# KiCad board Sound_Detection Bullet Shot.kicad_pcb (continued)
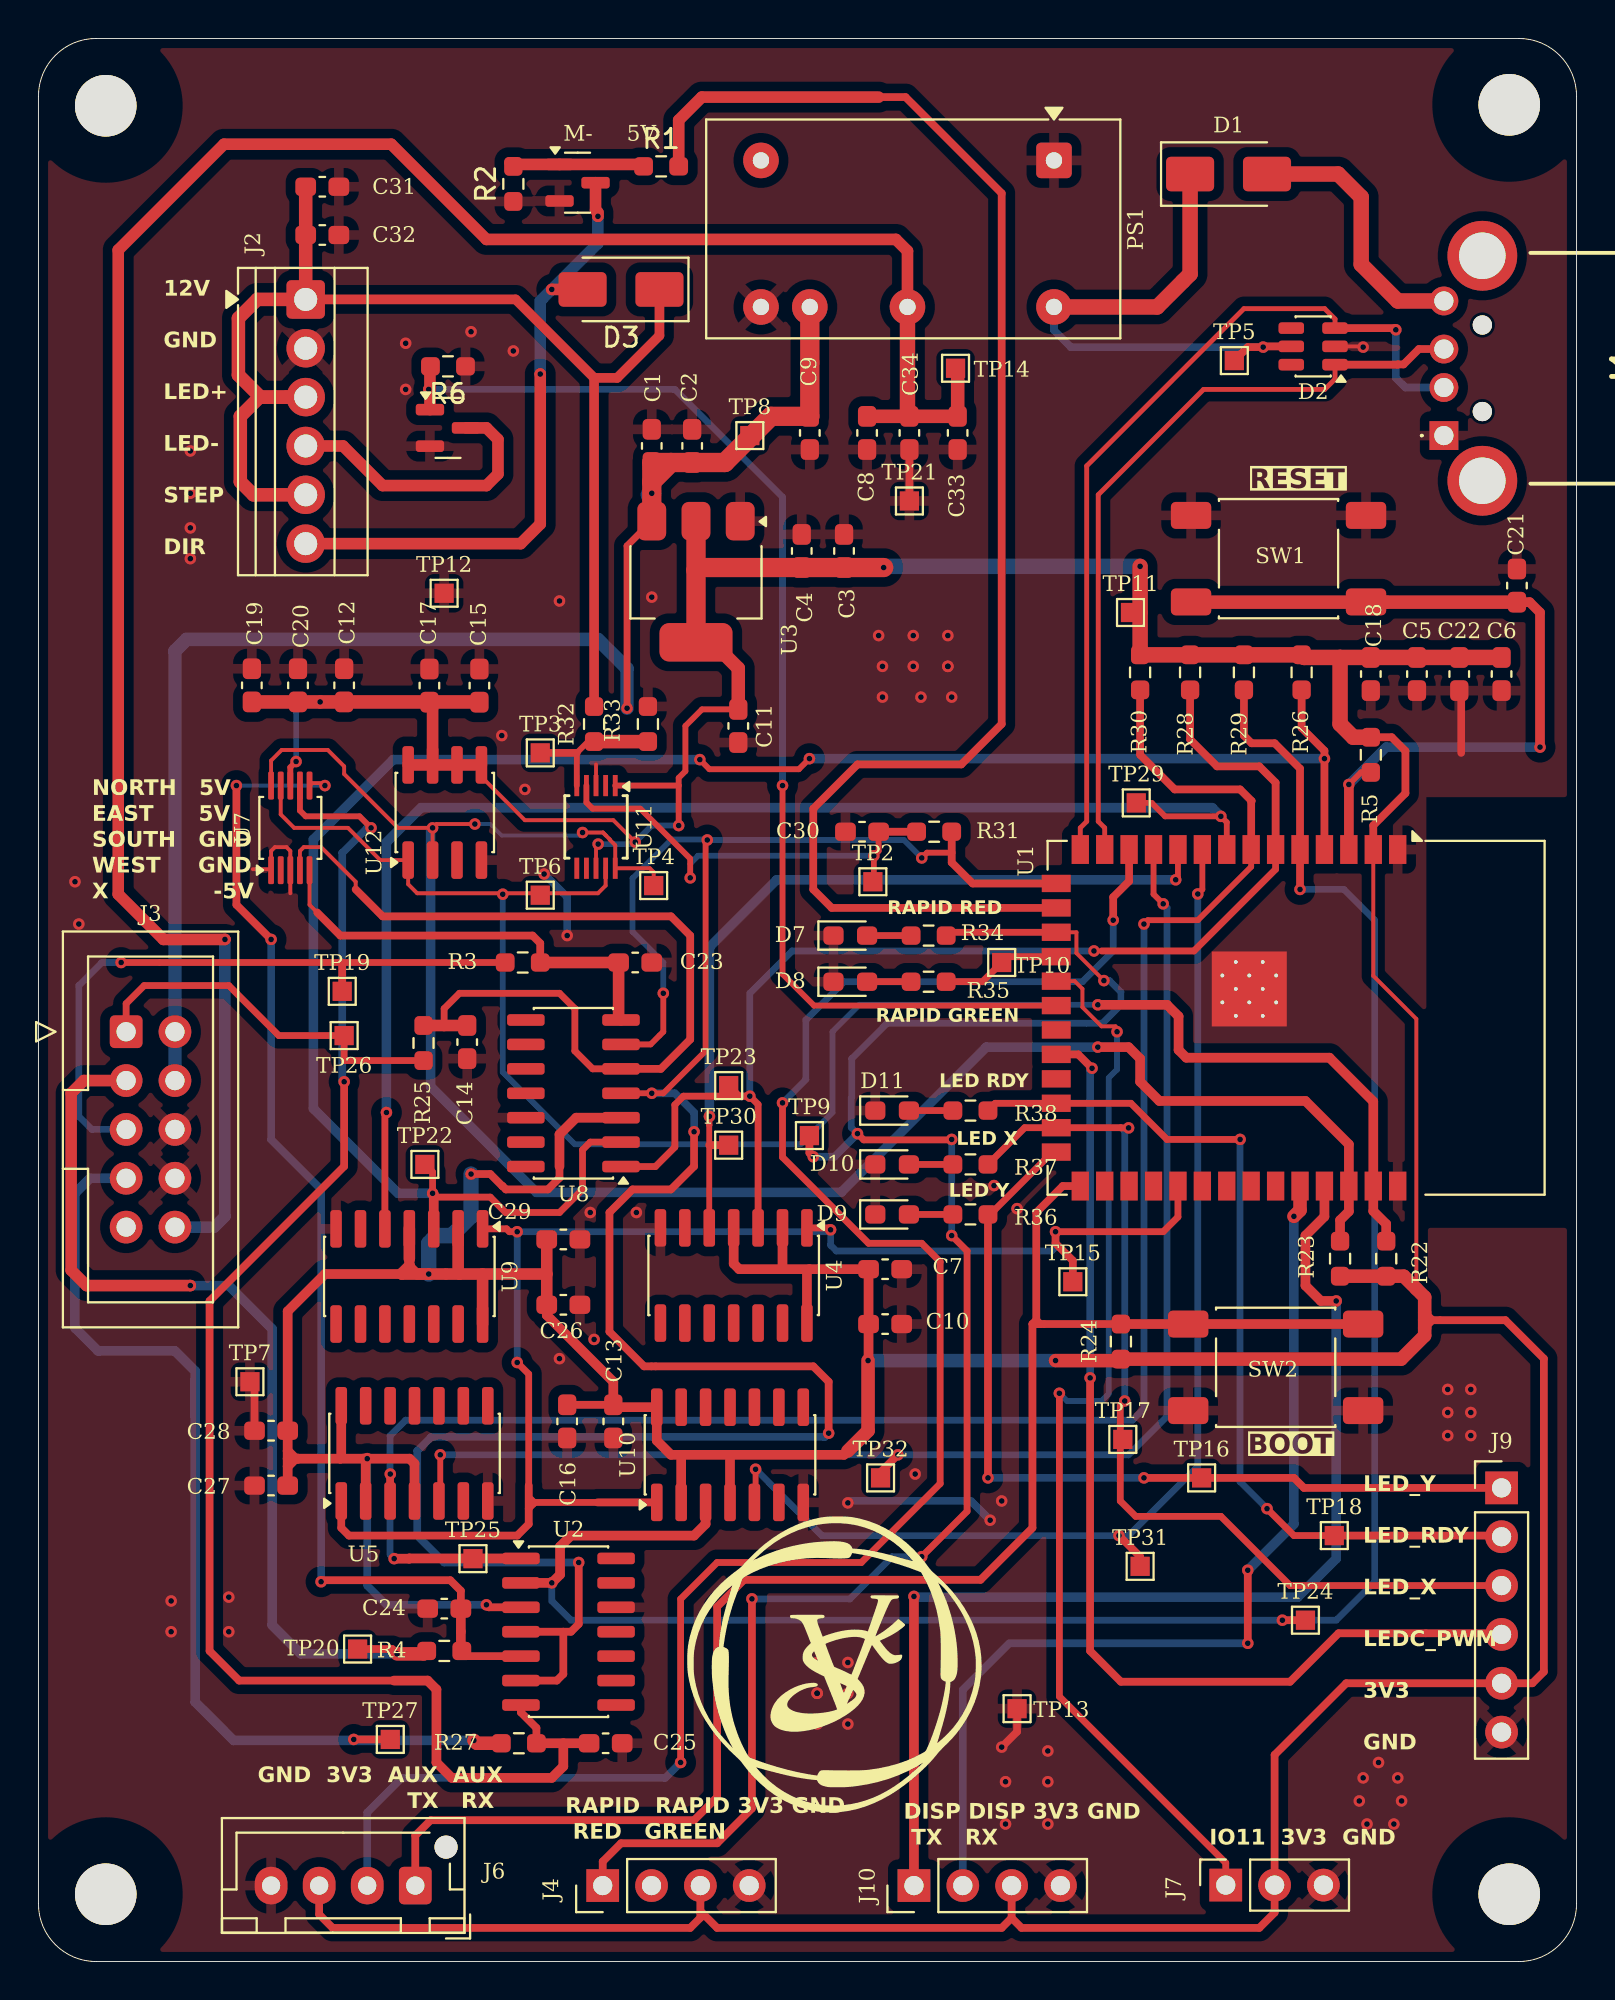
[diagram p0: board, top side]
## Library data of the parts (continued)
R3-R5 R24-R32 = -: Description: resistor; Indicator: +; Rating: W; Vendors: https://evelta.com/10k-1-100mw-0603-chip-resistor/?srsltid=AfmBOorNej3lTQZdXpxtSrrf6owtRoOqLEf4K_jB5WZRBmj2GG6DtAs_
R22 R23 = -: Description: resistor; Indicator: +; Rating: W; Vendors: https://robu.in/product/4-7k-ohm-1-4w-0603-surface-mount-chip-resistor-pack-of-100/
R33 = -: Description: resistor; Indicator: +; Rating: W; Vendors: https://robu.in/product/2-2k-ohm-1-4w-0603-surface-mount-chip-resistor-pack-of-100/?gad_source=1&gad_campaignid=17427802703&gbraid=0AAAAADvLFWf-PRMRiFDA3RBzSYiPn-luu&gclid=Cj0KCQjws83OBhD4ARIsACblj19JhrMjrBon1VXRff-n0-QvLZ1ohm5Pyfe0go6wq98iirsB-DScAicaAq7DEALw_wcB
SW1 SW2 = -: Description: Push button switch, generic, two pins; Vendors: https://robu.in/product/tse006a3918a02-bzcn-6-4mm-3-9mm-50ma-round-button-standing-paste-6-55mm-180gf-12v-smd-tactile-switches-rohs/?gad_source=1&gad_campaignid=17427802703&gbraid=0AAAAADvLFWf-PRMRiFDA3RBzSYiPn-luu&gclid=Cj0KCQjws83OBhD4ARIsACblj1_z6nlxUU55QDxR4DWNCay2UByyZGZ5EPg_MtVYCIn2E5TK0cLTReAaAqzeEALw_wcB
TP2-TP27 TP29-TP32 = -: Description: test point; ki_fp_filters: Pin* Test*
U1 = -: Datasheet: https://www.espressif.com/sites/default/files/documentation/esp32-s3-wroom-1_wroom-1u_datasheet_en.pdf; Description: RF Module, ESP32-S3 SoC, Wi-Fi 802.11b/g/n, Bluetooth, BLE, 32-bit, 3.3V, onboard antenna, SMD; Vendors: https://evelta.com/esp32-s3-wroom-1-n8r8-wifi-bluetooth-module-8mb-flash-8mb-psram-pcb-antenna/?sku=136-ESP32-S3-WROOM-1-N8R8&utm_source=google&utm_campaign=20308067004&utm_medium=cpc&utm_content=&utm_term=&gad_source=1&gad_campaignid=20317564702&gbraid=0AAAAADwtsXlG-Qqln7F14ycArtbz9qWSe&gclid=Cj0KCQjws83OBhD4ARIsACblj18_XzNqd42fnj7uzkW6gFdimrvGhhkyi02fCeyiEuf2VVo8WXgBOCIaAim0EALw_wcB; ki_fp_filters: ESP32?S3?WROOM?1*
U2 U8 = -: Datasheet: https://www.st.com/resource/en/datasheet/lm139.pdf; Description: Quad Differential Comparators, SOIC-14/TSSOP-14; Vendors: https://robu.in/product/lm339d-texas-instruments-ic-comparator-4-diff-14soic/?gad_source=1&gad_campaignid=17427802703&gbraid=0AAAAADvLFWf-PRMRiFDA3RBzSYiPn-luu&gclid=Cj0KCQjws83OBhD4ARIsACblj19HJS2E9tVDTPC8C0nnxfrYx9xA90UCcqmWntQrJgwnTT7YZ9E3pawaAjE5EALw_wcB; ki_fp_filters: SOIC*3.9x8.7mm*P1.27mm* TSSOP*4.4x5mm*P0.65mm*
U3 = -: Datasheet: http://www.advanced-monolithic.com/pdf/ds1117.pdf; Description: 1A Low Dropout regulator, positive, 3.3V fixed output, SOT-223; Vendors: https://in.element14.com/stmicroelectronics/ldl1117s33r/ldo-fixed-3-3v-1-2a-sot-223-3/dp/2729708; ki_fp_filters: SOT?223*TabPin2*
U4 = -: Datasheet: 74xx/74hc_hct74.pdf; Description: Dual D Flip-flop, Set & Reset; ki_fp_filters: DIP*W7.62mm*
U5 U9 U10 = -: Datasheet: 74xx/74hc_hct74.pdf; Description: Dual D Flip-flop, Set & Reset; Vendors: https://in.element14.com/on-semiconductor/mc74hc74adg/ic-74hc-cmos-smd-74hc74-soic14/dp/9667016; ki_fp_filters: DIP*W7.62mm*
U7 U11 = -: Datasheet: http://www.ti.com/lit/ds/symlink/ads1113.pdf; Description: Ultra-Small, Low-Power, I2C-Compatible, 860-SPS, 16-Bit ADCs With Internal Reference, Oscillator, and Programmable Comparator, VSSOP-10; Vendors: https://evelta.com/ads1115idgsr-16-bit-adc-2-4-input-1-sigma-delta-ic-vssop-10/?srsltid=AfmBOoqXXIRsstV2qJ4aj6w2U_Oee2BWqNkQ8Lds7tzud7aNYQPa7mLn; ki_fp_filters: TSSOP*3x3mm*P0.5mm*
U12 = -: Datasheet: http://www.ti.com/lit/ds/symlink/lm75b.pdf; Description: Digital Temperature Sensor & Thermal Watchdog with LP on I2C and bus fault timeout, SOIC-8 and VSSOP-8; Vendors: https://in.element14.com/texas-instruments/lm75aimx-nopb/temperature-sensor-3deg-c-soic/dp/3009035; ki_fp_filters: SOIC*3.9x4.9mm*P1.27mm* VSSOP*3x3mm*P0.65mm*

## Footprints (pads in the part's own frame, mm; a bottom-side part is the same pattern mirrored in y, then rotated)
C_0603_1608Metric_Pad1.08x0.95mm_HandSolder
  rrect 1.075x0.95 smd: 1(-0.863,0) 2(0.863,0)
Converter_DCDC_XP_POWER-IAxxxxD_THT
  rrect 1.85x1.85 hole 0.85: 1(0,0)
  round 1.85 hole 0.85: 2(0,-15.24) 3(7.62,0) 4(7.62,-7.62) 5(7.62,-12.7) 6(7.62,-15.24)
D_SMA
  rrect 2.5x1.8 smd: 1(-2,0) 2(2,0)
ESP32-S3-WROOM-1
  rect 0.9x0.9 smd: (-2.9,-1.06) (-2.9,-2.46) (-2.9,-3.86) (-1.5,-1.06) (-1.5,-2.46) (-1.5,-3.86) (-0.1,-1.06) (-0.1,-2.46) (-0.1,-3.86)
  rect 1.5x0.9 smd: 1(-8.75,5.26) 2(-8.75,3.99) 3(-8.75,2.72) 4(-8.75,1.45) 5(-8.75,0.18) 6(-8.75,-1.09) 7(-8.75,-2.36) 8(-8.75,-3.63) 9(-8.75,-4.9) 10(-8.75,-6.17) 11(-8.75,-7.44) 12(-8.75,-8.71) 13(-8.75,-9.98) 14(-8.75,-11.25) 27(8.75,-11.25) 28(8.75,-9.98) 29(8.75,-8.71) 30(8.75,-7.44) 31(8.75,-6.17) 32(8.75,-4.9) 33(8.75,-3.63) 34(8.75,-2.36) 35(8.75,-1.09) 36(8.75,0.18) 37(8.75,1.45) 38(8.75,2.72) 39(8.75,3.99) 40(8.75,5.26)
  rect 0.9x1.5 smd: 15(-6.985,-12.5) 16(-5.715,-12.5) 17(-4.445,-12.5) 18(-3.175,-12.5) 19(-1.905,-12.5) 20(-0.635,-12.5) 21(0.635,-12.5) 22(1.905,-12.5) 23(3.175,-12.5) 24(4.445,-12.5) 25(5.715,-12.5) 26(6.985,-12.5)
  round 0.6 hole 0.2: 41(-2.9,-1.76) 41(-2.9,-3.16) 41(-2.2,-1.06) 41(-2.2,-2.46) 41(-2.2,-3.86) 41(-1.5,-1.76) 41(-1.5,-3.16) 41(-0.8,-1.06) 41(-0.8,-2.46) 41(-0.8,-3.86) 41(-0.1,-1.76) 41(-0.1,-3.16)
  rect 3.9x3.9 smd: 41(-1.5,-2.46)
IDC-Header_2x05_P2.54mm_Vertical
  rrect 1.7x1.7 hole 1: 1(0,0)
  round 1.7 hole 1: 2(0,-2.54) 3(0,-5.08) 4(0,-7.62) 5(0,-10.16) 6(2.54,0) 7(2.54,-2.54) 8(2.54,-5.08) 9(2.54,-7.62) 10(2.54,-10.16)
JST_XH_B4B-XH-AM_1x04_P2.50mm_Vertical
  round 1.2 hole 1.2 unplated: (-1.6,-2)
  rrect 1.7x1.95 hole 0.95: 1(0,0)
  oval 1.7x1.95 hole 0.95: 2(2.5,0) 3(5,0) 4(7.5,0)
LED_0603_1608Metric_Pad1.05x0.95mm_HandSolder
  rrect 1.05x0.95 smd: 1(-0.875,0) 2(0.875,0)
MountingHole_3.2mm_M3
  round 3.2 hole 3.2 unplated: (0,0)
PinHeader_1x04_P2.54mm_Vertical
  rect 1.7x1.7 hole 1: 1(0,0)
  round 1.7 hole 1: 2(0,-2.54) 3(0,-5.08) 4(0,-7.62)
PinHeader_1x06_P2.54mm_Vertical
  rect 1.7x1.7 hole 1: 1(0,0)
  round 1.7 hole 1: 2(0,-2.54) 3(0,-5.08) 4(0,-7.62) 5(0,-10.16) 6(0,-12.7)
PinSocket_1x03_P2.54mm_Vertical
  rect 1.7x1.7 hole 1: 1(0,0)
  round 1.7 hole 1: 2(0,-2.54) 3(0,-5.08)
R_0603_1608Metric_Pad0.98x0.95mm_HandSolder
  rrect 0.975x0.95 smd: 1(-0.912,0) 2(0.912,0)
SOIC-8_3.9x4.9mm_P1.27mm
  rrect 1.95x0.6 smd: 1(-2.475,1.905) 2(-2.475,0.635) 3(-2.475,-0.635) 4(-2.475,-1.905) 5(2.475,-1.905) 6(2.475,-0.635) 7(2.475,0.635) 8(2.475,1.905)
SOIC-14_3.9x8.7mm_P1.27mm
  rrect 1.95x0.6 smd: 1(-2.475,3.81) 2(-2.475,2.54) 3(-2.475,1.27) 4(-2.475,0) 5(-2.475,-1.27) 6(-2.475,-2.54) 7(-2.475,-3.81) 8(2.475,-3.81) 9(2.475,-2.54) 10(2.475,-1.27) 11(2.475,0) 12(2.475,1.27) 13(2.475,2.54) 14(2.475,3.81)
SOT-23
  rrect 1.475x0.6 smd: 1(-0.938,0.95) 2(-0.938,-0.95) 3(0.938,0)
SOT-223-3_TabPin2
  rrect 2x1.5 smd: 1(-3.15,2.3) 2(-3.15,0) 3(-3.15,-2.3)
  rrect 2x3.8 smd: 2(3.15,0)
SW_Push_1P1T_NO_E-Switch_TL3301NxxxxxG
  rrect 2.1x1.4 smd: 1(-4.55,2.25) 1(4.55,2.25) 2(-4.55,-2.25) 2(4.55,-2.25)
TerminalBlock_Xinya_XY308-2.54-6P_1x06_P2.54mm_Horizontal
  rrect 2x2 hole 1.2: 1(0,0)
  round 2 hole 1.2: 2(2.54,0) 3(5.08,0) 4(7.62,0) 5(10.16,0) 6(12.7,0)
TestPoint_Pad_1.0x1.0mm
  rect 1x1 smd: 1(0,0)
TSOT-23-6
  rrect 1.325x0.6 smd: 1(-1.137,0.95) 2(-1.137,0) 3(-1.137,-0.95) 4(1.137,-0.95) 5(1.137,0) 6(1.137,0.95)
TSSOP-10_3x3mm_P0.5mm
  rect 1.1x0.25 smd: 1(-2.15,1) 2(-2.15,0.5) 3(-2.15,0) 4(-2.15,-0.5) 5(-2.15,-1) 6(2.15,-1) 7(2.15,-0.5) 8(2.15,0) 9(2.15,0.5) 10(2.15,1)
UP2AH4TH
  round 1 hole 1 unplated: (1.25,-2) (5.75,-2)
  rect 1.5x1.5 hole 1: 1(0,0)
  round 1.5 hole 1: 2(2.5,0) 3(4.5,0) 4(7,0)
  round 3.63 hole 2.42: MH1(-2.35,-2) MH2(9.35,-2)
VSSOP-10_3x3mm_P0.5mm
  rrect 1.45x0.3 smd: 1(-2.2,1) 2(-2.2,0.5) 3(-2.2,0) 4(-2.2,-0.5) 5(-2.2,-1) 6(2.2,-1) 7(2.2,-0.5) 8(2.2,0) 9(2.2,0.5) 10(2.2,1)

## Nets
3V3: C3.1 C4.1 C5.1 C6.1 C7.1 C10.1 C11.1 C12.1 C13.1 C15.1 C16.1 C17.1 C18.1 C19.1 C20.1 C22.1 C26.1 C27.1 C28.1 C29.1 J4.3 J6.3 J7.2 J9.5 J10.3 R5.1 R22.2 R23.2 R24.2 R26.2 R28.2 R29.2 R30.2 TP11.1 U1.2 U2.3 U3.2 U4.2 U4.4 U4.14 U5.2 U5.4 U5.14 U7.8 U8.3 U9.2 U9.4 U9.14 U10.2 U10.4 U10.14 U11.1 U11.8 U12.5 U12.6 U12.7 U12.8
12V: C31.1 C32.1 D3.1 J2.1 J2.3 J2.5 R32.2
+5V: C1.1 C2.1 C9.2 J3.6 J3.7 PS1.5 TP8.1 U3.3
-5V: C8.2 C33.1 C34.1 J3.10 PS1.4 TP14.1
/12V_VD: R32.1 R33.2 TP3.1 U11.5
/VBUS: D1.2 J1.4
GND: C1.2 C2.2 C3.2 C4.2 C5.2 C6.2 C7.2 C8.1 C9.1 C10.2 C11.2 C12.2 C13.2 C14.1 C15.2 C16.2 C17.2 C18.2 C19.2 C20.2 C21.2 C22.2 C23.1 C24.1 C25.1 C26.2 C27.2 C28.2 C29.2 C30.1 C31.2 C32.2 C33.2 C34.2 D2.2 D7.1 D8.1 D9.1 D10.1 D11.1 J1.1 J2.2 J3.8 J3.9 J4.4 J6.4 J7.3 J9.6 J10.4 PS1.1 PS1.6 Q1.2 Q2.2 R2.1 R6.1 R33.1 SW1.1 SW2.1 TP7.1 TP12.1 TP13.1 TP21.1 U1.1 U1.40 U1.41 U2.12 U3.1 U4.7 U5.7 U7.1 U7.3 U8.12 U9.7 U10.7 U11.3 U12.4
/COMP_E: C24.2 R4.2 U2.5 U7.6
/COMP_N: C14.2 R25.2 U7.4 U8.5
/COMP_S: C23.2 R3.2 U7.5 U8.7
/COMP_W: C25.2 R27.2 U2.7 U7.7
/RESET: C21.1 R5.2 SW1.2 U1.3
AUX_RX: J6.1 R24.1 SW2.2 U1.27
AUX_TX: J6.2 U1.12
COMP_EAST: R29.1 TP24.1 U1.5 U2.2 U10.3
COMP_NORTH: R26.1 TP22.1 U1.4 U8.2 U9.3
COMP_SOUTH: R28.1 TP23.1 U1.6 U4.3 U8.1
COMP_WEST: R30.1 TP25.1 U1.7 U2.1 U5.3
D+: D2.3 J1.2 U1.14
D-: D2.1 J1.3 U1.13
DISP_RX: J10.2 U1.36
DISP_TX: J10.1 U1.37
FACE_SENS: J7.1 U1.19
LATCH_CLR: TP15.1 U1.31 U4.1 U5.1 U9.1 U10.1
LED-: J2.4 Q2.3
LED_PWM: Q2.1 R6.2 U1.20
LED_RDY: J9.2 R38.2 TP18.1 U1.24
LED_X: J9.3 R37.2 TP17.1 U1.25
LED_Y: J9.1 R36.2 TP16.1 U1.26
LEDC_PWM: J9.4 U1.22
M-: D3.2 J2.6 Q1.3
PAPER: R1.2 U1.16
RAPID_GREEN: R35.2 TP10.1 U1.18
RAPID_GREEN : J4.2
RAPID_RED: J4.1 R34.2 TP9.1 U1.17
RUN_EAST: TP31.1 U1.9 U10.5
RUN_NORTH : TP29.1 U1.8 U9.5
RUN_SOUTH: TP30.1 U1.10 U4.5
RUN_WEST: TP32.1 U1.11 U5.5
SCL: R23.1 TP4.1 U1.38 U7.10 U11.10 U12.2
SDA: R22.1 TP6.1 U1.39 U7.9 U11.9 U12.1
SIG_1: J3.1 R25.1 TP26.1
SIG_2: J3.2 R4.1 TP20.1
SIG_3: J3.3 R3.1 TP19.1
SIG_4: J3.4 R27.1 TP27.1
USB_5V: D1.1 D2.5 PS1.3 TP5.1
VREF: R31.1 U1.15 U2.4 U2.6 U8.4 U8.6
VREF_PWM: C30.2 R31.2 TP2.1 U11.4
Net-(D7-A): D7.2 R34.1
Net-(D8-A): D8.2 R35.1
Net-(D9-A): D9.2 R36.1
Net-(D10-A): D10.2 R37.1
Net-(D11-A): D11.2 R38.1
Net-(Q1-G): Q1.1 R1.1 R2.2

Pads without a net: D2 4 6; J1 MH1 MH2; J3 5; PS1 2; U1 21 23 28 29 30 32 33 34 35; U2 8 9 10 11 13 14; U4 6 8 9 10 11 12 13; U5 6 8 9 10 11 12 13; U7 2; U8 8 9 10 11 13 14; U9 6 8 9 10 11 12 13; U10 6 8 9 10 11 12 13; U11 2 6 7; U12 3

## Via types
v1: diameter 0.6, hole 0.3, Top to Bottom, 169 vias

## Routing (per net, layer and track width the routed paths; a pad name or vN(x,y) marks a point on that pad's centre or on a via; arc(x,y) is an arc through that point)
3V3: length 425.3
  Top w0.2: U11.8 29,58 v1(29.11,58.11) ; v1(31.04,58.21) 29.9,59.35 25.3,59.35 23.04,61.61 U12.5 ; U1.2 69.43,51.26 71.67,49.02 71.67,34.98
  Top w0.3: 33.3,61.15 U11.1 ; 33.3,61.15 v1(33.3,59.07) ; 33.3,61.15 33.3,61.55 33.65,61.9 33.65,64.25 34.51,65.11 C11.1 ; v1(13.4,62.4) 13.1,62.1 U7.8
  Top w0.4: 34.43,2.55 34.5,2.55 35.3,1.75 50.1,1.75 50.62,2.27 ; 34.43,2.55 34.43,2.28 33.9,1.75 15.3,1.75 14.6,2.45 J6.3 ; 34.43,2.55 J4.3 ; C16.1 C13.1 ; R5.1 70.39,63.66 71.1,62.95 71.1,60.75 69.43,59.08 U1.2 ; 72.5,33.35 72.1,33.35 ; 72.5,33.35 72.1,33.75 ; 72.5,33.35 76.3,33.35 78.3,31.35 78.3,15.07 77.7,14.47 J9.5 68.02,14.47 64.3,10.75 J7.2 64.3,2.55 63.5,1.75 51.13,1.75 50.62,2.27 ; 72.5,33.35 72.1,32.95 ; 27.1,41.35 27.1,40.75 26.5,40.15 24.31,40.15 24.14,40.33 24.12,40.33 23.5,40.95 v1(22.5,40.95) ; v1(23.3,18.55) 23.43,18.42 U2.3 ; TP11.1 57.3,70.15 ; 50.62,2.27 J10.3
  Top w0.5: 19.3,35.75 19.3,36.54 19.29,36.55 19.29,36.16 19.7,35.75 19.3,35.75 ; 19.3,35.75 14.9,35.75 12.96,33.81 C28.1 12.96,26.55 ; 16.9,26.15 17.02,26.03 U5.2 ; 16.9,26.15 15.7,26.15 ; 16.9,26.15 19.3,26.15 19.56,25.89 U5.4 ; 38.7,36 36.45,36 36.16,36.29 U4.4 ; 38.7,36 40.1,36 ; 38.7,36 U4.2 ; 42.1,26.55 41.9,26.35 35.9,26.35 ; 13.5,26.15 13.36,26.15 ; 13.5,26.15 12.96,26.15 ; 13.5,26.15 15.7,26.15 ; 13.36,26.15 12.96,25.75 ; 13.36,26.15 12.96,26.55 ; 33.5,26.35 32.9,26.35 32.16,27.09 32.16,28.83 30.02,28.83 C13.1 29.9,30.15 26.44,33.61 C26.1 ; 33.5,26.35 33.43,26.28 U10.2 ; 33.5,26.35 35.9,26.35 ; 15.7,26.15 15.75,26.2 U5.14 ; 27.1,41.35 27.1,43.01 27.97,43.88 U8.3 ; 12.96,25.75 C27.1 ; 12.96,25.75 12.96,26.15 ; 12.96,26.55 12.96,26.15 ; 40.1,36 C7.1 C10.1 43.17,31.28 v1(43.15,31.25) ; 40.1,36 39.97,35.87 U4.14 ; 35.9,26.35 35.97,26.28 U10.4
  Top w0.6: 19.29,36.16 18.9,35.77 18.9,35.75 v1(20.3,35.75) ; v1(20.3,35.75) 19.7,35.75 ; v1(20.3,35.75) 21.9,35.75 ; C17.1 20.5,65.32 U12.7 ; 21.9,35.75 21.83,35.82 U9.2 ; 21.9,35.75 23.1,35.75 ; 26.44,35.75 C26.1 ; 26.44,35.75 C29.1 ; 26.44,35.75 23.1,35.75 ; 19.29,36.55 U9.4 ; U9.14 23.1,35.75 ; U12.8 U12.7 ; U12.7 U12.5
  Top w0.7: U3.2 35.05,68.6 36.4,67.25 C11.1 ; C19.1 C20.1 v1(14.65,65.5) C12.1 22.92,65.5 C15.1 ; v1(52.9,31.25) 56.23,31.25 R24.2 70.88,31.33 72.1,32.55 72.1,34.55 71.01,35.64 R22.2 R23.2 ; v1(43.15,31.25) 43.15,27.6 42.1,26.55
  Top w0.8: 67.7,67.81 67.7,64.35 68.39,63.66 R5.1 ; 67.7,67.81 C18.1 C6.1 ; 67.7,67.81 65.84,67.81 R26.2 R30.2 v1(57.3,72.55)
  Top w1: U3.2 34.2,72.35 ; 34.2,72.35 34.34,72.49 C4.1 C3.1 v1(43.96,72.49) ; 34.2,72.35 U3.2
  Bottom w0.3: v1(29.11,58.11) 30.94,58.11 v1(31.04,58.21) 31.9,59.07 v1(33.3,59.07) ; v1(14.65,65.5) 13.9,65.5 13.4,65 v1(13.4,62.4)
  Bottom w0.4: v1(17.1,26.15) 17.1,19.55 18.1,18.55 v1(23.3,18.55)
  Bottom w0.7: v1(52.9,31.25) v1(43.15,31.25)
  Bottom w0.8: v1(22.5,40.95) 22.5,38.75 21.5,37.75 20.7,37.75 20.3,37.35 v1(20.3,35.75) ; v1(43.96,72.49) 44.02,72.55 v1(57.3,72.55)
12V: length 67.1
  Top w0.5: J2.1 24.82,86.43 28.9,82.35 ; D3.1 32.3,84.55 30.1,82.35 28.9,82.35 ; 28.9,82.35 R32.2
  Top w0.7: 12.9,81.35 11.55,81.35 10.4,82.5 10.4,85.45 11.38,86.43 J2.1 C31.1 ; 12.9,81.35 11.5,81.35 10.5,80.35 10.5,76.95 11.18,76.27 J2.5 ; 12.9,81.35 J2.3
+5V: length 83.7
  Top w0.35: v1(30.61,65.17) 30.61,73.61 U3.3
  Top w0.7: C2.1 C1.1 U3.3
  Top w1: 32.9,77.95 C2.1 35.7,77.95 38.1,80.35 C9.2 PS1.5 ; 32.9,77.95 C1.1 31.9,76.95 ; 32.9,77.95 31.9,76.95 ; 31.9,76.95 U3.3
  Bottom w0.7: v1(30.61,65.17) 30.61,67.24 29.1,68.75 7.7,68.75 7.1,68.15 J3.6 J3.7
  Bottom w1: 31.82,76.27 v1(31.9,76.35)
-5V: length 119.1
  Top w0.6: 6.9,37.99 J3.10 ; PS1.4 45.2,88.95 44.6,89.55 23.3,89.55 18.35,94.5 9.65,94.5 4.15,89 4.15,55.5 6.5,53.15 v1(9.7,53.15)
  Top w0.7: TP14.1 47.81,82.74 C33.1 C34.1 C8.2
  Top w0.8: PS1.4 45.2,80.45 C34.1
  Bottom w0.6: J3.10 9.14,38.19 9.7,38.75 v1(9.7,53.15)
/12V_VD: length 7.5
  Top w0.3: U11.5 28,62.85 28.59,63.44 R32.1
  Top w0.4: TP3.1 28,62.85
  Top w0.7: R33.2 R32.1
/VBUS: length 14
  Top w0.8: D1.2 67.6,92.95 68.8,91.75 68.8,88.25 70.7,86.35 J1.4
GND: length 30.9
  Top w0.2: 13.1,55.55 U7.3 13.1,57.75 12.9,57.95 12.3,57.95 12.1,57.75 12.1,56.8 11.15,56.8 ; D2.2 68.86,83.99 v1(68.9,83.95) ; U11.3 29,62.25
  Top w0.4: 74,62.85 74,65.99 C22.2 ; TP7.1 11.24,29.91 C28.2 ; TP13.1 50.9,11.95 v1(50.1,11.15) ; TP21.1 C34.2
  Bottom w0.4: v1(42.1,23.85) 42.2,23.95 48.5,23.95 v1(49.5,22.95) ; v1(27.5,53.35) 27.5,55.35 v1(26.3,56.55)
  Bottom w0.5: 7.24,40.61 6.7,40.61
  vias: v1(1.9,56.15) v1(2.1,53.95) v1(6.9,18.75) v1(6.9,17.15) v1(7.9,78.55) v1(7.9,76.35) v1(7.9,74.55) v1(7.9,72.95) v1(9.9,18.95) v1(9.9,17.15) v1(19.1,84.15) v1(19.1,81.75) v1(22.5,84.75) v1(24.1,63.75) v1(24.7,83.75) v1(25.3,60.95) v1(27.1,70.75) v1(27.1,31.35) v1(28.7,38.95) v1(28.9,32.35) v1(31.1,38.95) v1(31.9,70.95) v1(40.5,15.55) v1(40.5,13.95) v1(40.5,13.95) v1(40.5,12.35) v1(42.1,15.55) v1(42.1,13.95) v1(42.1,12.35) v1(43.7,68.95) v1(43.9,67.35) v1(43.9,65.75) v1(45.5,68.95) v1(45.5,67.35) v1(45.6,25.35) v1(45.9,65.75) v1(47.3,68.95) v1(47.3,67.35) v1(47.3,67.35) v1(47.5,65.75) v1(49.7,40.35) v1(50.1,23.95) v1(50.3,9.35) v1(50.3,7.15) v1(50.9,39.15) v1(52.5,10.95) v1(52.5,9.35) v1(52.5,7.15) v1(68.7,8.35) v1(68.9,9.55) v1(69.1,7.15) v1(69.7,10.35) v1(70.5,7.15) v1(70.7,9.55) v1(70.9,8.35) v1(73.3,29.75) v1(73.3,28.55) v1(73.3,27.35) v1(74.5,29.75) v1(74.5,28.55) v1(74.5,27.35)
/COMP_E: length 62.6
  Top w0.2: v1(14.9,61.15) 14.77,61.28 14.23,61.28 U7.6
  Top w0.4: U2.5 22.29,15.88 R4.2 ; v1(12.1,53.15) 10.3,54.95 v1(10.3,61.15) ; C24.2 21.97,19.28 21.42,19.83 14.78,19.83 v1(14.7,19.75)
  Top w0.5: R4.2 21.97,16.2 C24.2
  Bottom w0.2: v1(14.9,61.15) v1(10.3,61.15)
  Bottom w0.4: v1(14.7,19.75) 14.7,40.15 12.1,42.75 v1(12.1,53.15)
/COMP_N: length 48.7
  Top w0.2: 16.5,55.75 16.5,56.15 14.7,57.95 13.8,57.95 13.6,57.75 U7.4
  Top w0.35: U8.5 28.83,46.42 27.9,47.35 27.9,49.55 27.1,50.35 21.9,50.35 21.1,49.55 21.1,48.67
  Top w0.4: U8.5 32.37,46.42 33.9,47.95 33.9,53.35 32.9,54.35 17.9,54.35 16.5,55.75
  Top w0.6: C14.2 R25.2
/COMP_S: length 23
  Top w0.2: U7.5 14.1,54.95 14.5,54.55
  Top w0.4: R3.2 26.1,52.95 25.7,53.35 15.7,53.35 14.5,54.55
  Top w0.6: C23.2 R3.2 ; C23.2 30.17,49.08 U8.7 ; C23.2 30.17,51.75 30.19,51.76
/COMP_W: length 81.7
  Top w0.3: v1(17.3,58.95) 16.7,59.55 13.9,59.55 13.6,59.85 U7.7
  Top w0.4: R27.2 25.9,12.15 25.09,12.95 U2.7 ; v1(15.9,45.75) 15.9,41.35 8.9,34.35 8.9,16.15 10.44,14.61 18.5,14.61
  Top w0.5: 27.3,11.35 R27.2 ; 27.3,11.35 C25.2 ; 27.3,11.35 27.3,10.15 26.7,9.55 21.5,9.55 20.7,10.35 20.7,14.15 20.24,14.61 18.5,14.61
  Bottom w0.4: v1(17.3,58.95) 17.1,58.95 15.8,57.65 15.8,45.85 v1(15.9,45.75)
/RESET: length 42
  Top w0.2: 70.13,70.69 69.06,70.69 SW1.2
  Top w0.3: v1(68.16,61.21) 68.79,61.84 R5.2
  Top w0.5: C21.1 77.56,70.69 78.1,70.15 v1(78.1,63.15) ; v1(68.16,61.21) U1.3
  Top w0.7: C21.1 59.96,70.69 SW1.2
  Bottom w0.5: v1(68.16,61.21) 70.1,63.15 v1(78.1,63.15)
AUX_RX: length 84.1
  Top w0.4: 51.9,33.35 51.9,38.95 53.27,40.33 U1.27 ; 51.9,33.35 51.7,33.15 ; 51.9,33.35 52.1,33.15 ; 51.9,33.35 51.9,33.15 ; J6.1 19.6,6.55 20.4,7.35 34.1,7.35 35.3,8.55 35.3,18.45 36.7,19.85 49,19.85 51.7,22.55 51.7,33.15 ; 51.7,33.15 51.9,33.15 ; 51.9,33.15 52.1,33.15 ; R24.1 52.1,33.15
  Top w0.5: SW2.2 R24.1
AUX_TX: length 98.4
  Top w0.35: v1(33.4,10.35) 33.4,18.85 35.3,20.75 42.8,20.75 46.9,24.85 46.9,36.39 45.94,37.35 43.17,37.35 38.7,41.82 v1(38.7,44.65)
  Top w0.4: U1.12 56.73,56.18 55.9,55.35 v1(55.9,54.15)
  Bottom w0.35: v1(55.9,54.15) 55.9,52.55 54.3,50.95 41.9,50.95 39.91,48.96 39.91,45.86 v1(38.7,44.65)
  Bottom w0.4: J6.2 17.1,7.75 18.9,9.55 32.6,9.55 v1(33.4,10.35)
COMP_EAST: length 110.3
  Top w0.4: TP24.1 v1(64.7,17.75) ; v1(65.62,55.75) U1.5 65.62,62.03 64.3,63.35 63.1,63.35 62.7,63.75 R29.1
  Top w0.5: U10.3 34.7,22.75 34.1,22.15 27.7,22.15 27.13,21.58 27.13,20.12 v1(26.7,19.69) U2.2
  Bottom w0.35: v1(65.62,55.75) 67.9,55.75 69.5,54.15 69.5,19.75 67.5,17.75 27.7,17.75 26.7,18.75 v1(26.7,19.69)
COMP_NORTH: length 102
  Top w0.3: v1(40.1,62.55) 39.55,62 34.9,62 v1(34.4,62.5)
  Top w0.35: TP22.1 20.5,41.05 v1(20.5,39.95) 20.7,39.75 23.5,39.75 24.3,38.95 27.1,38.95 28.3,40.15 28.3,42.21 28.7,42.61 U8.2
  Top w0.4: U1.4 v1(66.89,62.55) 66.89,62.96 65.7,64.15 R26.1
  Top w0.5: U9.3 20.56,39.89 v1(20.5,39.95)
  Bottom w0.5: v1(34.4,62.5) 18.45,62.5 14.3,58.35 14.3,44.35 18.7,39.95 v1(20.5,39.95) ; v1(40.1,62.55) v1(66.89,62.55)
COMP_SOUTH: length 65.7
  Top w0.2: v1(54.9,52.55) 55.3,52.55
  Top w0.35: U1.6 64.35,56.8 60.1,52.55 55.3,52.55 ; v1(37,45) 36.45,45 TP23.1 ; v1(37,45) 33.55,45 33.1,44.55 33.1,42.35 32.09,41.34 U8.1 ; v1(37,45) 37.43,44.57 U4.3
  Top w0.4: U1.6 64.35,61.3 63.5,62.15 61.3,62.15 59.9,63.55 R28.1
  Bottom w0.35: v1(37,45) 37,50.35 39.2,52.55 v1(54.9,52.55)
COMP_WEST: length 100.7
  Top w0.3: v1(57.5,53.95) 57.7,54.15 60.3,54.15 63.08,56.93 U1.7
  Top w0.4: v1(18.3,25.35) 18.29,25.34 U5.3 ; U1.7 63.08,60.33 63.1,60.35 62.5,60.95 59.1,60.95 57.3,62.75 R30.1
  Top w0.5: U2.1 19.29,20.96 19.28,20.95 v1(18.5,20.95)
  Bottom w0.2: v1(18.3,25.35) 18.3,26.14 18.29,26.15
  Bottom w0.35: v1(18.5,20.95) 18.29,21.16 18.29,27.34 19.1,28.15 56.9,28.15 57.5,28.75 v1(57.5,53.95)
D+: length 45.5
  Top w0.25: U1.14 54.19,58.95 54.52,59.28 54.52,77.77 62.7,85.95 66.9,85.95 67.44,85.41 D2.3
  Top w0.4: D2.3 70.51,84.94 v1(70.6,84.85)
  Bottom w0.4: v1(70.6,84.85) 70.6,82.35 71.1,81.85 J1.2
D-: length 40.1
  Top w0.25: U1.13 55.46,58.95 55.12,59.28 55.12,76.27 60.6,81.75 66.9,81.75 67.44,82.29 D2.1
  Top w0.4: J1.3 71.8,83.85 71,83.05 70.7,83.05 70.69,83.04 D2.1
DISP_RX: length 50.9
  Top w0.4: v1(62.9,20.35) v1(62.9,16.55)
  Top w0.7: v1(65.3,38.75) 65.62,39.07 U1.36
  Bottom w0.4: J10.2 48.08,14.13 50.5,16.55 v1(62.9,16.55)
  Bottom w0.5: v1(62.9,20.35) 65.3,22.75 v1(65.3,38.75)
DISP_TX: length 58.8
  Top w0.5: v1(67.5,34.35) 66.7,34.35 65.9,35.15 65.9,37.75 66.89,38.74 U1.37 ; v1(45.54,18.99) J10.1
  Bottom w0.5: v1(45.54,18.99) 45.57,18.95 65.5,18.95 67.5,20.95 v1(67.5,34.35)
FACE_SENS: length 56
  Top w0.2: U1.19 53.9,50.98 54.3,50.58 54.3,49.62 55.29,48.63 56.02,48.63 56.1,48.55 v1(56.1,48.35)
  Top w0.35: v1(53.1,29.55) 53.1,13.78 61.76,5.13 J7.1
  Bottom w0.3: v1(56.1,48.35) 56.1,46.38 55.67,45.95 55.67,29.52 55.3,29.15 53.5,29.15 v1(53.1,29.55)
LATCH_CLR: length 79.1
  Top w0.35: U9.1 24.35,38.1 24.5,37.95 v1(24.9,37.95) ; 25.5,23.55 25.77,23.83 25.77,23.88 ; 29.07,23.88 25.77,23.88 ; 25.77,23.88 25.5,24.15 25.5,30.55 v1(24.9,31.15) ; v1(52.9,37.95) 58.5,37.95 59.27,38.72 U1.31 ; v1(41.2,38.05) 41.1,38.15 U4.1
  Top w0.4: U5.1 15.75,22.55 16.15,22.15 24.9,22.15 25.5,22.75 25.5,24.75 ; TP15.1 53.8,36.45 52.9,37.35 v1(52.9,37.95) ; U10.1 29.07,23.88
  Bottom w0.35: v1(24.9,31.15) v1(24.9,37.95) 41.1,37.95 v1(41.2,38.05) 41.2,37.25 41.5,36.95 52.7,36.95 52.9,37.15 v1(52.9,37.95)
LED-: length 14.8
  Top w0.6: J2.4 15.84,78.81 17.9,76.75 23.3,76.75 23.9,77.35 23.9,79.15 23.3,79.75 Q2.3
LED_PWM: length 62.7
  Top w0.3: U1.20 40.34,49.71 38.7,51.35 v1(38.7,61.15)
  Top w0.6: Q2.1 20.36,82.92 R6.2
  Bottom w0.35: v1(20.3,81.75) 33.1,81.75 38.7,76.15 v1(38.7,61.15)
LED_RDY: length 51.2
  Top w0.2: 72.1,22.15 76.04,22.15 J9.2
  Top w0.35: v1(62.5,42.75) 58.7,42.75 56.82,44.63 U1.24 49.77,44.63 R38.2 ; 67.5,22.15 65.3,22.15 v1(63.9,23.55)
  Top w0.4: 67.5,22.15 76.7,22.15
  Bottom w0.35: v1(63.9,23.55) 62.5,24.95 v1(62.5,42.75)
LED_X: length 49.3
  Top w0.35: v1(56.7,43.35) 56.3,43.35 56.29,43.36 U1.25 51.3,43.36 R37.2 ; v1(56.5,29.15) 56.27,28.92 56.27,23.95 57.07,23.15 61.5,23.15 65.1,19.55 J9.3
  Bottom w0.35: v1(56.7,43.35) 56.5,43.15 v1(56.5,29.15)
LED_Y: length 46.2
  Top w0.2: 76.67,24.72 76.19,24.72 J9.1
  Top w0.35: 52.74,42.09 49.5,38.85
  Top w0.4: 76.67,24.72 76.64,24.75 ; J9.1 65.82,24.63 65.3,25.15 v1(57.5,25.15) ; R36.2 v1(49.39,25.15)
  Top w0.5: U1.26 52.74,42.09 ; 49.5,38.85 R36.2
  Bottom w0.4: v1(57.5,25.15) v1(49.39,25.15)
LEDC_PWM: length 60.2
  Top w0.2: J9.4 76.04,17.07 72.16,17.07
  Top w0.4: v1(54.7,30.35) 54.7,16.15 56.3,14.55 65.1,14.55 67.62,17.07 76.7,17.07 ; v1(54.8,46.45) 54.08,47.17 U1.22
  Bottom w0.4: v1(54.8,46.45) 54.7,46.35 v1(54.7,30.35)
M-: length 34.1
  Top w0.6: J2.6 25.08,73.73 26.1,74.75 v1(26.1,82.55) ; v1(29.1,90.75) 29.1,90.95 28.98,91.08 Q1.3 ; v1(26.7,86.95) 29.1,86.95
  Bottom w0.6: v1(29.1,90.75) 29.1,89.35 v1(26.7,86.95) 26.1,86.35 v1(26.1,82.55)
PAPER: length 78.2
  Top w0.4: U1.16 41.26,54.79 40.3,55.75 40.3,59.95 42.6,62.25 48,62.25 50.1,64.35 50.1,91.95 45.1,96.95 43.7,96.95
  Top w0.6: 43.7,96.95 34.5,96.95 33.3,95.75 R1.2
RAPID_GREEN: length 6.3
  Top w0.35: R35.2 49.1,50.95 50.4,52.25 U1.18
RAPID_RED: length 93.8
  Top w0.2: v1(55.42,51.01) 53.99,52.44 53.99,53.52 U1.17
  Top w0.35: v1(45.94,21.05) 48.3,23.41 48.3,36.95 v1(47.5,37.75) ; 47.54,42.73 42.92,42.73 v1(42.6,43.05) ; R34.2 47.38,53.52 U1.17
  Top w0.4: J4.1 29.35,5.2 30.3,6.15 35.3,6.15 37.11,7.96 v1(37.11,18.86) ; v1(40.3,41.85) 40.1,42.05 TP9.1
  Bottom w0.35: v1(55.42,51.01) 55.71,51.01 56.3,50.41 56.3,49.75 55.34,48.79 44.14,48.79 42.3,46.95 42.3,44.94 42.27,44.92 42.27,43.38 v1(42.6,43.05) ; v1(37.11,18.86) 42.21,18.86 44.4,21.05 v1(45.94,21.05) ; v1(47.5,37.75) v1(47.5,42.75)
  Bottom w0.4: v1(40.3,41.85) 41.4,41.85 v1(42.6,43.05)
RUN_EAST: length 61.9
  Top w0.3: v1(60.3,55.51) 60.54,55.75 U1.9 ; U10.5 37.3,23.94 v1(37.3,25.6)
  Top w0.4: v1(56.2,22.15) 57.3,21.05 TP31.1
  Bottom w0.35: v1(37.3,25.6) 40.75,22.15 56.7,22.15 60.3,25.75 v1(60.3,55.51)
RUN_NORTH : length 71
  Top w0.3: U1.8 61.81,59.24 v1(61.5,59.55) 58.6,59.55 57.9,60.25 TP29.1
  Top w0.35: U9.5 18.02,44.07 v1(18.1,44.15)
  Bottom w0.5: v1(61.5,59.55) 61.05,60 19.9,60 18.1,58.2 v1(18.1,44.15)
RUN_SOUTH: length 42.9
  Top w0.3: U4.5 34.89,43.49 34.9,43.5 v1(34.9,43.95) ; U1.10 59.27,56.37 v1(59.15,56.25)
  Top w0.4: TP30.1 34.89,42.45
  Bottom w0.5: v1(59.15,56.25) 38.4,56.25 34.9,52.75 v1(34.9,43.95)
RUN_WEST: length 72.4
  Top w0.3: v1(20.9,26.35) 20.9,24.02 U5.5 ; U1.11 58,55.5 v1(58.5,55)
  Top w0.4: v1(44.7,26.35) 43.8,25.45 TP32.1
  Bottom w0.35: v1(20.9,26.35) 56.7,26.35 58.7,28.35 58.7,54.8 v1(58.5,55)
SCL: length 102.6
  Top w0.2: v1(28.3,58.71) 29.36,58.71 ; 29.36,58.71 29.51,58.56 ; 29.36,58.71 29.51,58.56 ; TP4.1 32,56.65 31.8,56.85 U11.10 30,58.05 29.71,58.34 29.71,58.36 29.51,58.56 ; v1(20.5,58.95) 20.7,59.15 v1(22.7,59.15) ; v1(20.5,58.95) U12.2 ; v1(20.5,58.95) 18.7,58.95 15.9,61.75 15.9,62.15 15.05,63 12.65,63 12.1,62.45 U7.10
  Top w0.5: R23.1 67.7,38.55 68.16,39.01 U1.38 68.16,42.49 65.9,44.75 58.3,44.75 57.3,45.75 57.3,46.95 56.7,47.55 v1(55.1,47.55)
  Bottom w0.2: v1(28.3,58.71) 28.14,58.55 24.1,58.55 23.5,59.15 v1(22.7,59.15)
  Bottom w0.5: v1(55.1,47.55) 49.3,47.55 41.75,40 25.9,40 20.4,45.5 20.4,58.85 v1(20.5,58.95)
SDA: length 94.3
  Top w0.2: 24.15,55.55 19.7,55.55 19.23,56.02 U12.1 17.77,57.27 16.1,58.95 13.3,58.95 12.6,59.65 U7.9 ; 24.15,55.55 v1(24.15,55.5) ; 24.15,55.55 29.1,55.55 29.5,55.95 U11.9
  Top w0.4: TP6.1 26,55.55
  Top w0.5: R22.1 70.1,38.35 69.43,39.02 U1.39 69.43,44.72 67.15,47 59.7,47 59.3,47.4 59.3,49.15 58.7,49.75 v1(55.1,49.75)
  Bottom w0.3: v1(24.15,55.5) 24.15,46.25 27.9,42.5 39.65,42.5 41.3,44.15 41.3,48.35 42.7,49.75 v1(55.1,49.75)
SIG_1: length 19.7
  Top w0.35: R25.1 15.9,46.85 TP26.1 12.5,48.15 9.9,50.75 5.5,50.75 4.56,49.81 J3.1
  Top w0.6: 4.15,48.24 4.16,48.23
SIG_2: length 50.3
  Top w0.4: v1(18.65,16) 18.4,16.25 TP20.1
  Top w0.6: J3.2 2.36,45.81 1.7,45.15 1.7,35.95 2.5,35.15 v1(7.9,35.15)
  Top w0.7: R4.1 20.05,16 v1(18.65,16)
  Bottom w0.5: v1(18.65,16) 13.65,16 12.15,17.5 12.15,32.9 9.9,35.15 v1(7.9,35.15)
SIG_3: length 33.7
  Top w0.35: v1(4.3,51.95) R3.1
  Top w0.4: TP19.1 15.8,51.95
  Bottom w0.35: v1(4.3,51.95) 3.3,51.95 2.1,50.75 2.1,43.95 2.78,43.27 J3.3
SIG_4: length 55.7
  Top w0.4: TP27.1 v1(16.4,11.55)
  Top w0.7: R27.1 22.8,11.35 v1(22.65,11.5)
  Bottom w0.4: 8.15,30.1 8.15,29.95
  Bottom w0.5: 8.15,29.55 8.15,30.7 7.1,31.75 3.1,31.75 1.9,32.95 1.9,39.95 2.68,40.73 J3.4 ; 8.15,29.55 8.15,28.35 ; 8.15,29.55 8.15,30.25 ; 8.15,28.35 8.15,13.5 10.15,11.5 v1(22.65,11.5) ; 8.15,28.35 8.15,30.1
USB_5V: length 28.7
  Top w0.4: TP5.1 62.9,83.95 v1(63.7,83.95) 63.74,83.99 D2.5
  Top w0.8: PS1.3 58.19,86.04 59.9,87.75 D1.1
  Bottom w0.4: v1(63.7,83.95) 53.7,83.95 52.82,84.83 PS1.3
VREF: length 131.1
  Top w0.3: 47.5,57.66 46.22,57.66 v1(45.94,57.39) ; v1(32.5,50.35) 32.5,48.35 31.84,47.69 U8.6 ; U8.4 v1(31.9,45.15) 32.5,45.15 34.7,47.35 34.7,58.23 v1(34.79,58.32)
  Top w0.4: v1(28.1,20.75) 28.1,17.55 27.7,17.15 27.3,17.15 ; R31.1 47.5,57.15 48.59,56.06 U1.15 ; 27.3,17.15 27.3,14.95 26.96,14.61 U2.6 ; 27.3,17.15 U2.4 ; v1(34.1,43.15) 34.1,41.35 32.9,40.15 30.9,40.15 29.7,38.95 29.7,32.75 31.5,30.95 40.3,30.95 41.1,30.15 v1(41.1,27.47)
  Bottom w0.3: v1(32.5,50.35) 32.5,51.95 30.9,53.55 30.9,56.33 32.92,58.35 34.76,58.35 v1(34.79,58.32) 45.01,58.32 v1(45.94,57.39)
  Bottom w0.4: v1(41.1,27.47) 40.9,27.28 20.43,27.28 19.7,26.55 19.7,22.15 21.1,20.75 v1(28.1,20.75) ; v1(31.9,45.15) 33.1,45.15 34.1,44.15 v1(34.1,43.15)
VREF_PWM: length 23.6
  Top w0.3: U11.4 28.5,60.27 28.82,59.95 31.3,59.95 33.9,57.35 v1(33.9,56.35) ; TP2.1 43.45,56.2 v1(43.45,57.5) 43.7,57.75 C30.2
  Top w0.4: C30.2 R31.2
  Bottom w0.3: v1(43.45,57.5) 34.31,57.5 33.9,57.09 v1(33.9,56.35)
Net-(D7-A): length 2.3
  Top w0.35: R34.1 D7.2
Net-(D8-A): length 2.3
  Top w0.35: R35.1 D8.2
Net-(D9-A): length 2.3
  Top w0.35: R36.1 D9.2
Net-(D10-A): length 2.3
  Top w0.35: R37.1 D10.2
Net-(D11-A): length 2.3
  Top w0.35: R38.1 D11.2
Net-(Q1-G): length 7.1
  Top w0.6: 24.52,93.53 R2.2 24.8,93.45 Q1.1 31.38,93.45 31.48,93.35

## Copper pours and planes (outline as drawn; the poured copper is in the pictures)
GND on Top, Bottom: -9.5,104.75 -8.7,-5.45 87.7,-5.45 87.1,104.35 -9.5,104.95

## Text on the board
F.Silkscreen: 12V / GND / LED+ / LED- / STEP / DIR | RAPID GREEN | RAPID RED | LED RDY | LED Y | LED X | M-     5V | NORTH   5V / EAST      5V / SOUTH   GND / WEST     GND / X              -5V | GND  3V3  AUX  AUX / TX   RX | RAPID  RAPID 3V3 GND / RED   GREEN | DISP DISP 3V3 GND / TX   RX | IO11  3V3  GND | LED_Y / LED_RDY / LED_X / LEDC_PWM / 3V3 / GND | BOOT | RESET
